# Altium PCB Sweet4x4_02.PcbDoc (part 2 of 2)
Units mm, origin at the board's own origin, x right, y up, seen from the top; angles counter-clockwise.
Board outline 80 x 114 mm, 2 copper layers (Top Layer, Bottom Layer), stack 1.571 mm thick; 67 components, 23 nets, 344 pads, 8 vias.
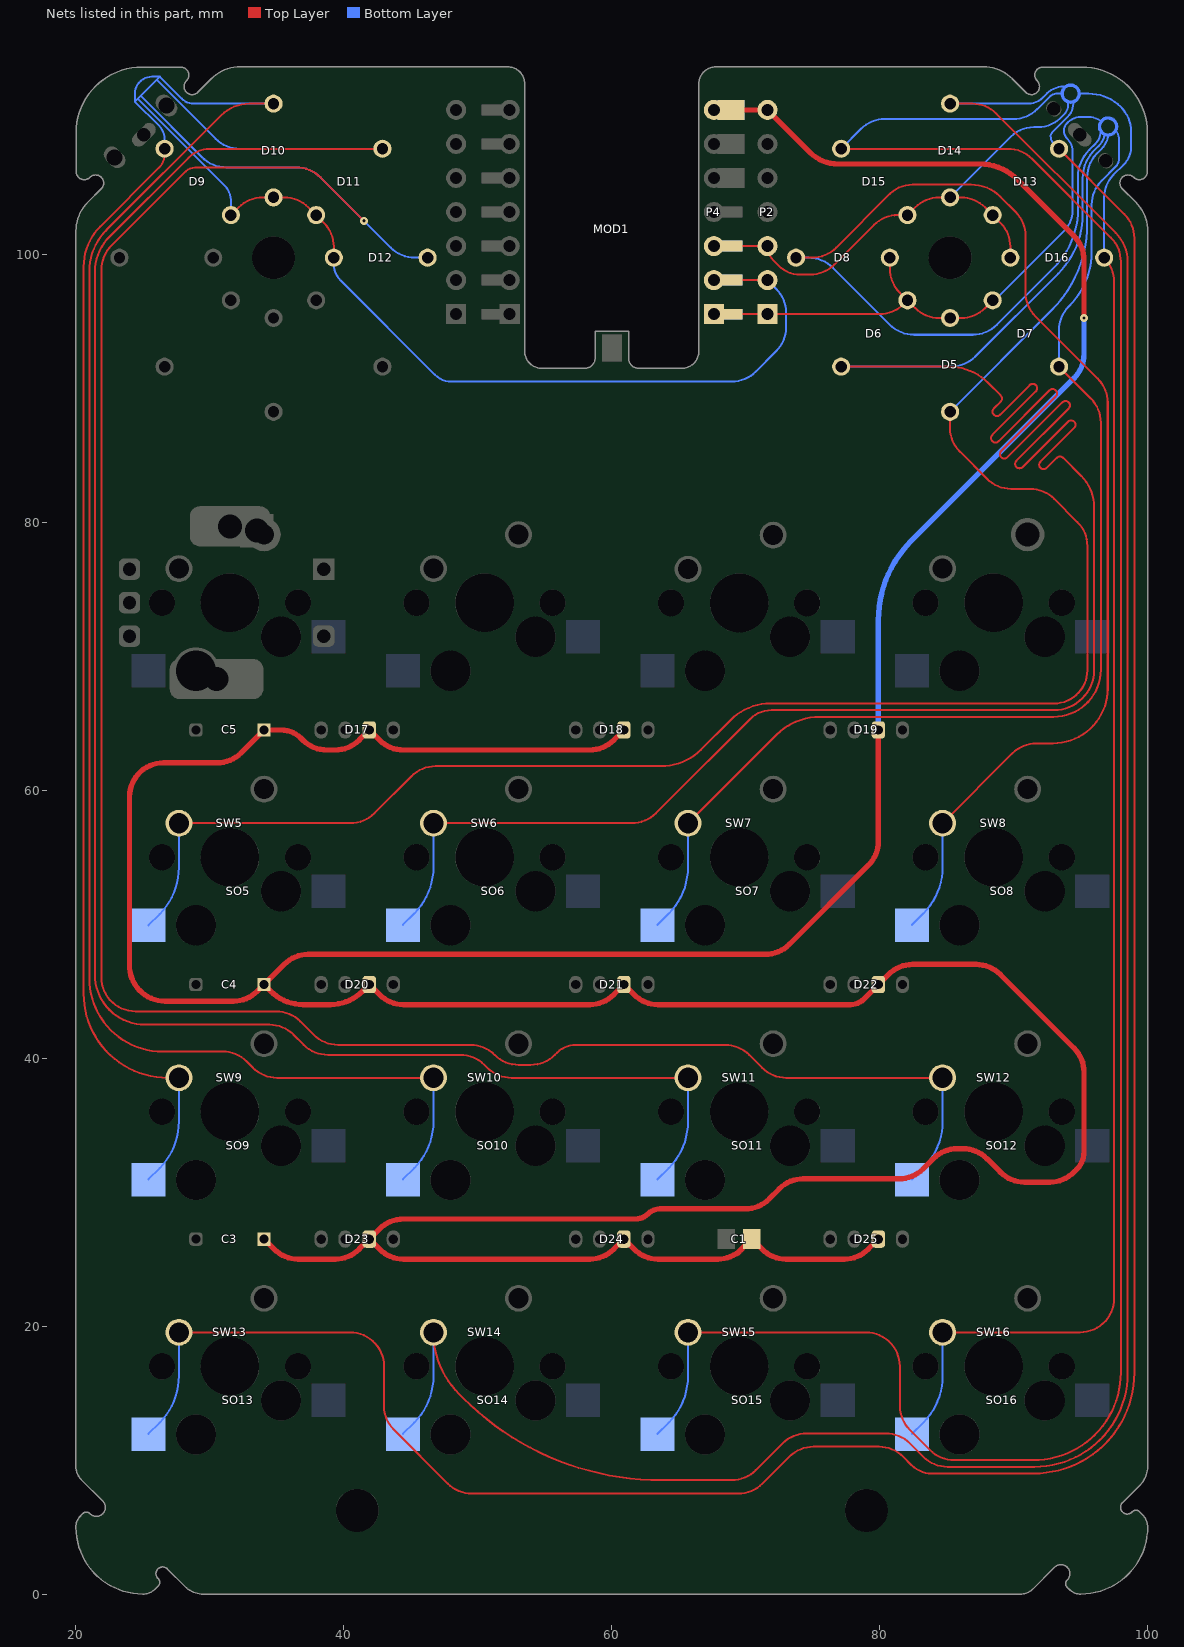
[diagram p2: the nets of this part, all layers, seen from the top]

## Via types
v1: diameter 0.6, hole 0.25, Top Layer to Bottom Layer, tented top, 7 vias
v2: diameter 0.6, hole 0.25, Top Layer to Bottom Layer, 1 vias

## Nets (pads, with @x,y where several pads share a name; then routed paths per layer and width w, separated by ;. In a path a pad name is that pad's centre, name@x,y a point inside that pad or via, vN(x,y) a via of type N, cw(c..) or ccw(c..) an arc to the next point about the centre after c; other vN are vias at no path point) (continued)
Row2: D5.A D5.C D6.A D6.C D7.A D7.C D8.A D8.C MOD1.2 P2.1 P4.1 pad.1@68.99,95.54 SO5.2 SO6.2 SO7.2 SO8.2 SW5.2 SW6.2 SW7.2 SW8.2 | length 556.4
  Top Layer w0.15: SW5.2@27.69,57.54 40.488,57.54 ccw(c40.488,60.08) 42.284,58.284 45.051,61.051 cw(c46.847,59.255) 46.847,61.795 63.681,61.795 ccw(c63.681,65.988) 66.647,63.023 68.868,65.244 cw(c71.848,62.265) 71.848,66.479 93.021,66.479 ccw(c93.021,68.957) 95.5,68.957 95.5,78.224 ccw(c92.96,78.224) 94.756,80.02 93.02,81.756 ccw(c91.224,79.96) 91.224,82.5 89.802,82.5 cw(c89.802,85.04) 88.006,83.244 85.994,85.256 cw(c87.79,87.052) 85.25,87.052 D5.C@85.25,88.25 ; SW6.2@46.69,57.54 59.008,57.54 61.488,57.54 ccw(c61.488,60.08) 63.284,58.284 64,59 70.321,65.321 cw(c71.909,63.733) 71.909,65.979 93.002,65.979 ccw(c93.002,68.976) 96,68.976 96,81.145 ccw(c92.728,81.145) 95.042,83.458 93.681,84.819 ccw(c93.449,84.586) 93.216,84.819 92.46,84.062 cw(c92.227,84.295) 91.994,84.062 cw(c92.227,84.295) 91.994,84.528 ; SW7.2@65.69,57.54 72.294,64.144 cw(c75.515,60.923) 75.515,65.479 92.983,65.479 ccw(c92.983,68.995) 96.5,68.995 96.5,87.448 ccw(c93.96,87.448) 95.756,89.244 D7.C@93.382,91.618 ; P4.1@67.62,95.54 P2.1@71.62,95.54 79.988,95.54 ccw(c79.988,98.08) 81.784,96.284 D6.A@82.068,96.568 ; D8.C@73.75,99.75 74.948,99.75 ccw(c74.948,102.29) 76.744,100.494 80.763,104.513 cw(c82.442,102.833) 82.442,105.208 86.826,105.208 cw(c86.826,102.133) 89.001,104.308 90.133,103.176 cw(c88.337,101.38) 90.877,101.38 90.877,97.175 ccw(c93.417,97.175) 91.621,95.379 96.275,90.725 cw(c94.479,88.929) 97.019,88.929 97.019,67.597 cw(c92.922,67.597) 92.922,63.5 91.702,63.5 ccw(c91.702,60.96) 89.906,62.756 SW8.2@84.69,57.54 ; D6.C@77.118,91.618 85.186,91.618 cw(c85.186,87.523) 88.081,90.419 89.029,89.471 cw(c88.796,89.239) 89.029,89.006 88.517,88.494 ccw(c88.749,88.262) 88.517,88.029 ccw(c88.749,88.262) 88.982,88.029 91.192,90.24 cw(c91.425,90.007) 91.658,90.24 cw(c91.425,90.007) 91.658,89.774 88.404,86.52 ccw(c88.636,86.288) 88.404,86.055 ccw(c88.636,86.288) 88.869,86.055 92.668,89.854 cw(c92.901,89.622) 93.134,89.854 cw(c92.901,89.622) 93.134,89.389 89.067,85.322 ccw(c89.3,85.09) 89.067,84.857 ccw(c89.3,85.09) 89.532,84.857 93.637,88.961 cw(c93.869,88.729) 94.102,88.961 cw(c93.869,88.729) 94.102,88.496 90.2,84.595 ccw(c90.433,84.362) 90.2,84.129 ccw(c90.433,84.362) 90.666,84.129 94.05,87.514 cw(c94.282,87.281) 94.515,87.514 cw(c94.282,87.281) 94.515,87.048 91.994,84.528 ; D8.A@80.75,99.75 80.75,98.938 ccw(c83.29,98.938) 81.494,97.142 D6.A@82.068,96.568 ; D7.A@88.432,96.568 87.858,95.994 cw(c86.062,97.79) 86.062,95.25 84.438,95.25 cw(c84.438,97.79) 82.642,95.994 D6.A@82.068,96.568
  Bottom Layer w0.15: SO5.2@25.41,49.92 26.249,50.759 ccw(c22.771,54.238) 27.69,54.238 SW5.2@27.69,57.54 ; SO6.2@44.41,49.96 45.249,50.799 ccw(c41.771,54.278) 46.69,54.278 SW6.2@46.69,57.54 SW6.2@46.69,57.58 ; SO7.2@63.41,49.96 64.249,50.799 ccw(c60.771,54.278) 65.69,54.278 SW7.2@65.69,57.54 SW7.2@65.69,57.58 ; D8.C@73.75,99.75 74.698,99.75 cw(c74.698,97.21) 76.494,99.006 80.756,94.744 ccw(c82.552,96.54) 82.552,94 86.948,94 ccw(c86.948,96.54) 88.744,94.744 92.965,98.965 ccw(c88.54,103.389) 94.797,103.389 94.797,105.765 cw(c97.681,105.765) 95.642,107.805 96.113,108.276 ccw(c95.179,109.21) 96.5,109.21 ; D6.C@77.118,91.618 85.316,91.618 ccw(c85.316,94.158) 87.112,92.362 93.317,98.567 ccw(c88.892,102.991) 95.149,102.991 95.149,105.676 cw(c98.1,105.676) 95.873,107.611 96.324,108.063 ccw(c95.179,109.21) 96.775,108.928 ; SO8.2@82.41,49.96 83.249,50.799 ccw(c79.771,54.278) 84.69,54.278 SW8.2@84.69,57.54 SW8.2@84.69,57.58 ; D5.C@85.25,88.25 92.821,95.821 ccw(c86.409,102.233) 95.477,102.233 95.477,105.739 cw(c98.017,105.739) 96.173,107.486 cw(c98.017,105.739) 96.221,107.535 96.537,107.851 ccw(c95.179,109.21) 97.071,108.876 ; D7.A@88.432,96.568 ccw(c88.432,96.896) 88.664,96.664 93.759,101.759 ccw(c92.206,103.312) 94.402,103.312 94.402,107.685 ccw(c93.144,107.685) 94.034,108.574 cw(c94.719,109.259) 93.75,109.259 cw(c94.473,109.259) 93.962,109.771 94.046,109.855 cw(c95,108.901) 95,110.25 95.543,110.25 cw(c95.543,108.543) 96.522,109.941 ; D7.C@93.382,91.618 93.382,94.33 cw(c95.922,94.33) 94.126,96.126 ccw(c90.031,100.22) 95.822,100.22 95.822,103.707 cw(c98.362,103.707) 96.566,105.503 97.599,106.537 ccw(c96.936,107.2) 97.874,107.2 97.874,108.494 ccw(c96.628,108.494) 97.582,109.294
  Bottom Layer w0.25: 97.68,109.543 ccw(c97.043,109.543) 97.68,109.543
Row3: D9.A D9.C D10.A D10.C D11.A D11.C D12.A D12.C MOD1.4 P2.2 P4.2 pad.1@68.99,98.08 SO9.2 SO10.2 SO11.2 SO12.2 SW9.2 SW10.2 SW11.2 SW12.2 | length 616.5
  Top Layer w0.15: D9.C@26.618,107.882 26.618,107.443 cw(c25.266,107.443) 26.222,106.487 21.808,102.072 ccw(c24.784,99.096) 20.575,99.096 20.575,46.25 20.575,44.821 ccw(c26.856,44.821) 26.856,38.54 SW9.2@27.69,38.54 ; D9.A@31.568,102.932 32.142,103.506 cw(c33.938,101.71) 33.938,104.25 D10.A@34.75,104.25 35.562,104.25 cw(c35.562,101.71) 37.358,103.506 38.506,102.358 cw(c36.71,100.562) 39.25,100.562 D12.A@39.25,99.75 ; D10.C@34.75,111.25 32.954,111.25 ccw(c32.954,108.257) 30.837,110.373 22.281,101.817 ccw(c25.373,98.725) 21,98.725 21,46.25 21,45.963 ccw(c26.463,45.963) 26.463,40.5 30.948,40.5 cw(c30.948,37.96) 32.744,39.756 33.216,39.284 ccw(c35.012,41.08) 35.012,38.54 SW10.2@46.69,38.54 ; v1(41.5,102.5) 38.244,105.756 ccw(c36.448,103.96) 36.448,106.5 29.052,106.5 ccw(c29.052,105.139) 28.089,106.101 22.663,100.675 ccw(c24.518,98.82) 21.895,98.82 21.895,46.25 21.895,46.04 ccw(c24.435,46.04) 24.435,43.5 34.948,43.5 cw(c34.948,40.96) 36.744,42.756 37.756,41.744 ccw(c39.552,43.54) 39.552,41 49.448,41 cw(c49.448,38.46) 51.244,40.256 51.256,40.244 ccw(c53.052,42.04) 53.052,39.5 53.948,39.5 ccw(c53.948,42.04) 55.744,40.244 55.918,40.418 ; D11.C@42.882,107.882 30.01,107.882 ccw(c30.01,105.624) 28.413,107.22 22.505,101.313 ccw(c25.144,98.674) 21.413,98.674 21.413,46.25 ccw(c25.163,46.25) 25.163,42.5 34.448,42.5 cw(c34.448,39.96) 36.244,41.756 37.006,40.994 ccw(c38.802,42.79) 38.802,40.25 48.698,40.25 cw(c48.698,37.71) 50.494,39.506 50.716,39.284 ccw(c52.512,41.08) 52.512,38.54 SW11.2@65.69,38.54 ; 55.918,40.418 cw(c57.324,39.012) 57.324,41 68.448,41 cw(c68.448,38.46) 70.244,40.256 71.216,39.284 ccw(c73.012,41.08) 73.012,38.54 SW12.2@84.69,38.54 ; P4.2@67.62,98.08 P2.2@71.62,98.08
  Bottom Layer w0.15: 24.403,111.403 24.403,111.993 cw(c25.673,111.993) 25.673,113.263 26.263,113.263 ; 24.617,111.617 31.121,105.113 cw(c30.04,104.033) 31.568,104.072 cw(c30.04,104.033) 31.568,104.033 D9.A@31.568,102.932 ; 24.829,111.829 29.414,107.244 ccw(c31.21,109.04) 31.21,106.5 36.448,106.5 cw(c36.448,103.96) 38.244,105.756 v1(41.5,102.5) 43.506,100.494 ccw(c45.302,102.29) 45.302,99.75 D12.C@46.25,99.75 ; SO9.2@25.41,30.96 26.249,31.799 ccw(c22.771,35.278) 27.69,35.278 SW9.2@27.69,38.54 SW9.2@27.69,38.58 ; 26.207,109.602 cw(c25.214,108.609) 26.618,108.609 D9.C@26.618,107.882 ; 26.207,109.603 24.405,111.405 26.025,113.025 ; D10.C@34.75,111.25 28.802,111.25 cw(c28.802,112.519) 27.904,111.622 26.263,113.263 ; D12.A@39.25,99.75 39.25,99.302 ccw(c41.025,99.302) 39.77,98.047 46.797,91.02 ccw(c48.052,92.275) 48.052,90.5 68.948,90.5 ccw(c68.948,93.04) 70.744,91.244 72.256,92.756 ccw(c70.46,94.552) 73,94.552 73,95.648 ccw(c70.46,95.648) 72.256,97.444 P2.2@71.62,98.08 ; D11.C@42.882,107.882 32.221,107.882 cw(c32.221,110.422) 30.425,108.626 26.025,113.025 ; SO10.2@44.41,30.96 45.249,31.799 ccw(c41.771,35.278) 46.69,35.278 SW10.2@46.69,38.54 SW10.2@46.69,38.58 ; SO11.2@63.41,30.96 64.249,31.799 ccw(c60.771,35.278) 65.69,35.278 SW11.2@65.69,38.54 SW11.2@65.69,38.58 ; SO12.2@82.41,30.96 83.249,31.799 ccw(c79.771,35.278) 84.69,35.278 SW12.2@84.69,38.54 SW12.2@84.69,38.58 ; 26.025,113.025 26.263,113.263
Row4: D13.A D13.C D14.A D14.C D15.A D15.C D16.A D16.C MOD1.6 P2.3 P4.3 pad.1@68.99,100.62 SO13.2 SO14.2 SO15.2 SO16.2 SW13.2 SW14.2 SW15.2 SW16.2 | length 709.5
  Top Layer w0.15: SW13.2@27.69,19.54 40.46,19.54 cw(c40.46,17) 43,17 43,14.052 ccw(c45.54,14.052) 43.744,12.256 47.756,8.244 ccw(c49.552,10.04) 49.552,7.5 69.448,7.5 ccw(c69.448,10.04) 71.244,8.244 73.256,10.256 cw(c75.052,8.46) 75.052,11 79.948,11 cw(c79.948,8.46) 81.744,10.256 82.372,9.628 ccw(c83.888,11.144) 83.888,9 91.494,9 ccw(c91.494,16.506) 99,16.506 99,101.211 ccw(c96.46,101.211) 98.256,103.007 D13.C@93.382,107.882 ; SW14.2@46.69,19.54 ccw(c53.208,19.54) 48.599,14.931 48.904,14.626 ccw(c63.694,29.416) 63.694,8.5 68.948,8.5 ccw(c68.948,11.04) 68.951,8.5 ccw(c68.948,11.04) 70.744,9.244 72.756,11.256 cw(c74.552,9.46) 74.552,12 80.448,12 cw(c80.448,9.46) 82.244,11.256 83.256,10.244 ccw(c85.052,12.04) 85.052,9.5 91.549,9.5 ccw(c91.549,16.451) 98.5,16.451 98.5,99.448 ccw(c95.46,99.448) 97.61,101.598 88.701,110.506 ccw(c86.905,108.71) 86.905,111.25 D14.C@85.25,111.25 ; SW15.2@65.69,19.54 78.96,19.54 cw(c78.96,17) 81.5,17 81.5,14.052 ccw(c84.04,14.052) 82.244,12.256 83.756,10.744 ccw(c85.552,12.54) 85.552,10 91.462,10 ccw(c91.462,16.538) 98,16.538 98,99.448 ccw(c95.46,99.448) 97.256,101.244 91.362,107.138 ccw(c89.566,105.342) 89.566,107.882 D15.C@77.118,107.882 ; P4.3@67.62,100.62 P2.3@71.62,100.62 ccw(c73.127,100.62) 72.061,99.554 72.473,99.143 ccw(c74.066,100.736) 74.066,98.483 74.805,98.483 ccw(c74.805,101.023) 76.601,99.227 79.562,102.188 cw(c81.358,100.392) 81.358,102.932 D15.A@82.068,102.932 82.642,103.506 cw(c84.438,101.71) 84.438,104.25 86.062,104.25 cw(c86.062,101.71) 87.858,103.506 89.006,102.358 cw(c87.21,100.562) 89.75,100.562 D16.A@89.75,99.75 ; SW16.2@84.69,19.54 94.96,19.54 ccw(c94.96,22.08) 97.5,22.08 97.5,85 97.5,97.948 ccw(c94.96,97.948) 96.756,99.744 D16.C@96.75,99.75
  Bottom Layer w0.15: SO13.2@25.41,11.96 26.249,12.799 ccw(c22.771,16.278) 27.69,16.278 SW13.2@27.69,19.54 SW13.2@27.69,19.58 ; SO14.2@44.41,11.96 45.249,12.799 ccw(c41.771,16.278) 46.69,16.278 SW14.2@46.69,19.54 SW14.2@46.69,19.58 ; SO15.2@63.41,11.96 64.249,12.799 ccw(c60.771,16.278) 65.69,16.278 SW15.2@65.69,19.54 SW15.2@65.69,19.58 ; D15.C@77.118,107.882 78.595,109.359 cw(c80.391,107.563) 80.391,110.103 89.971,110.103 ccw(c89.971,112.643) 91.767,110.847 92.7,111.779 cw(c93.291,111.188) 93.291,112.024 93.614,112.024 ; SO16.2@82.41,11.96 83.249,12.799 ccw(c79.771,16.278) 84.69,16.278 SW16.2@84.69,19.54 SW16.2@84.69,19.58 ; D14.A@85.25,104.25 89.793,108.793 cw(c91.5,107.086) 91.5,109.5 91.826,109.5 ccw(c91.826,111.892) 93.465,110.15 93.783,110.467 ccw(c93.128,111.122) 94.054,111.122 94.054,111.394 ; D14.C@85.25,111.25 91.097,111.25 ccw(c91.097,112.754) 92.161,111.691 92.475,112.004 cw(c93.743,110.736) 93.743,112.53 93.897,112.53 ; D13.C@93.382,107.882 92.977,108.286 cw(c93.505,108.814) 92.758,108.814 cw(c93.188,108.814) 92.884,109.118 94.031,110.265 ccw(c93.011,111.285) 94.454,111.285 94.454,111.397 ; 94.887,112 95.6,112 cw(c95.6,108.62) 97.99,111.01 cw(c96.155,109.175) 98.75,109.175 98.75,108 cw(c96.91,108) 98.211,106.699 97.439,105.927 ccw(c99.103,104.263) 96.75,104.263 D16.C@96.75,99.75
  Bottom Layer w0.25: 93.614,112.024 ccw(c94.25,112) 94.054,111.394 ccw(c94.25,112) 94.454,111.397 ccw(c94.25,112) 94.887,112 ccw(c94.25,112) 93.897,112.53 ccw(c94.25,112) 93.614,112.024
VSYS: C1.1 C3.1 C4.1 C5.1 D17.2 D18.2 D19.2 D20.2 D21.2 D22.2 D23.2 D24.2 D25.2 MOD1.11 P2.7 P4.7 pad.1@68.89,110.78 | length 380
  Top Layer w0.4: C3.1@34.04,26.5 34.796,25.744 ccw(c36.592,27.54) 36.592,25 39.348,25 ccw(c39.348,27.54) 41.144,25.744 D23.2@41.9,26.5 ; D18.2@60.9,64.5 60.144,63.744 cw(c58.348,65.54) 58.348,63 44.452,63 cw(c44.452,65.54) 42.656,63.744 D17.2@41.9,64.5 41.144,63.744 cw(c39.348,65.54) 39.348,63 38.738,63 cw(c38.738,65.54) 36.942,63.744 36.795,63.891 ccw(c35.325,62.421) 35.325,64.5 C5.1@34.04,64.5 32.334,62.794 cw(c30.538,64.59) 30.538,62.05 26.54,62.05 ccw(c26.54,59.51) 24,59.51 24,47.016 ccw(c26.654,46.913) 26.654,44.257 31.745,44.257 ccw(c31.745,46.797) 33.541,45.001 C4.1@34.04,45.5 ; P4.7@67.62,110.78 P2.7@71.62,110.78 74.789,107.611 ccw(c76.891,109.712) 76.891,106.74 87.486,106.74 cw(c87.486,102.779) 90.287,105.58 94.506,101.361 cw(c92.71,99.565) 95.25,99.565 v1(95.25,95.25) ; D25.2@79.9,26.5 79.144,25.744 cw(c77.348,27.54) 77.348,25 73.002,25 cw(c73.002,27.54) 71.206,25.744 C1.1@70.45,26.5 69.694,25.744 cw(c67.898,27.54) 69.499,25.568 cw(c69.2,25.75) 69.281,25.409 cw(c67.898,27.54) 67.898,25 63.452,25 cw(c63.452,27.54) 61.656,25.744 D24.2@60.9,26.5 60.144,25.744 cw(c58.348,27.54) 58.348,25 44.452,25 cw(c44.452,27.54) 42.656,25.744 D23.2@41.9,26.5 ; D19.2@79.9,64.5 79.9,56.202 cw(c77.36,56.202) 79.156,54.406 73.244,48.494 cw(c71.448,50.29) 71.448,47.75 37.342,47.75 ccw(c37.342,45.21) 35.546,47.006 C4.1@34.04,45.5 ; C4.1@34.04,45.5 34.539,45.001 ccw(c36.955,47.417) 36.955,44 38.985,44 ccw(c38.985,47.417) 41.401,45.001 D20.2@41.9,45.5 42.656,44.744 ccw(c44.452,46.54) 44.452,44 58.348,44 ccw(c58.348,46.54) 60.144,44.744 D21.2@60.9,45.5 61.656,44.744 ccw(c63.452,46.54) 63.452,44 77.799,44 ccw(c77.799,45.451) 78.825,44.425 D22.2@79.9,45.5 80.656,46.256 cw(c82.452,44.46) 82.452,47 87.198,47 cw(c87.198,44.46) 88.994,46.256 94.506,40.744 cw(c92.71,38.948) 95.25,38.948 95.25,33.013 cw(c93.407,33.013) 94.71,31.71 94.494,31.494 cw(c92.698,33.29) 92.698,30.75 90.802,30.75 cw(c90.802,33.29) 89.006,31.494 87.994,32.506 ccw(c86.198,30.71) 86.198,33.25 85.802,33.25 ccw(c85.802,30.71) 84.006,32.506 83.244,31.744 cw(c81.448,33.54) 81.448,31 74.302,31 ccw(c74.302,28.46) 72.506,30.256 71.744,29.494 cw(c69.948,31.29) 69.948,28.75 63.596,28.75 ccw(c63.596,27.487) 62.703,28.38 cw(c61.785,29.297) 61.785,28 44.452,28 ccw(c44.452,25.46) 42.656,27.256 D23.2@41.9,26.5
  Bottom Layer w0.4: D19.2@79.9,64.5 79.9,72.701 cw(c88.244,72.701) 82.344,78.601 94.506,90.763 ccw(c92.71,92.559) 95.25,92.559 v1(95.25,95.25)
pads on no net: ENC1.MH1 ENC1.MH2 SO1.0 SO2.0 SO3.0 SO4.0 SO5.0 SO6.0 SO7.0 SO8.0 SO9.0 SO10.0 SO11.0 SO12.0 SO13.0 SO14.0 SO15.0 SO16.0 SW1.0 SW2.0 SW3.0 SW4.0 SW5.0 SW6.0 SW7.0 SW8.0 SW9.0 SW10.0 SW11.0 SW12.0 SW13.0 SW14.0 SW15.0 SW16.0
copper on no net: | length 7.5
  Bottom Layer w0.15: 23.45,109.8 24.2,110.55 24.2,110.154 ccw(c25.054,110.154) 24.45,109.55 ccw(c23.846,108.946) 23.846,109.8 23.45,109.8
  Bottom Layer w0.25: 21,110.4 22.5,110.4 ; 23.6,111.497 23.6,112.997
  Bottom Layer w0.4: 94.35,112 ccw(c94.25,112) 94.35,112 ; 97.143,109.543 ccw(c97.043,109.543) 97.143,109.543

## Polygon pours and split planes (outlines as drawn)
GND on Bottom Layer "NONET_L-01_P-001" (hatched 45Degree grid 1 track 0.25, remove dead copper, pour order 0): 20,114 100,114 100,0 20,0
GND on Top Layer "NONET_L-01_P-001" (hatched 45Degree grid 1 track 0.25, remove dead copper, pour order 1): 20,114 100,114 100,0 20,0

## Keep-outs
Keep-Out Layer:
  circle w0.254: c34.75,99.75 r3
  circle w0.254: c41,6.25 r3
  circle w0.254: c79,6.25 r3
  circle w0.254: c85.25,99.75 r3
  lines w0.1: 21.86,6.846 22.245,7.23 cw(c23.5,5.975) 23.5,7.75 23.543,7.75 cw(c23.543,6.043) 24.75,7.25 27.219,4.78 cw(c25.939,3.5) 27.75,3.5 cw(c25.945,3.5) 27.221,2.224 ; 92.779,2.224 cw(c94.054,3.5) 92.25,3.5 cw(c94.061,3.5) 92.78,4.78 95.25,7.25 cw(c96.457,6.043) 96.457,7.75 96.5,7.75 cw(c96.5,5.975) 97.755,7.23 98.14,6.846

## Other copper
Bottom Layer:
  region: 24.449,109.551 ccw(c23.848,108.95) 23.848,109.8 23.45,109.8 24.2,110.55 24.2,110.152 ccw(c25.05,110.152)
  region net Row1: 22.595,109.595 22.594,109.597 22.007,109.597 ccw(c22.007,108.327) 20.737,108.327 20.737,107.737
  region net Row3: 24.405,111.405 24.403,111.406 24.403,111.993 cw(c25.673,111.993) 25.673,113.263 26.263,113.263
  region net Row3: 26.271,113.271 26.506,113.036 26.409,112.938 ccw(c28.205,111.142) 25.665,111.142 25.665,110.142 24.403,111.403
  region net Row1: 20.729,107.729 20.964,107.494 21.062,107.591 cw(c22.858,105.795) 22.858,108.335 23.858,108.335 22.597,109.597
  region: 460 vertices and 0 holes, not listed, extent 28.979,86.831 30.782,88.833
  region: 638 vertices and 0 holes, not listed, extent 28.904,84.791 32.188,87.175
  region: 380 vertices and 0 holes, not listed, extent 30.689,87.316 32.752,88.775
  region: 570 vertices and 0 holes, not listed, extent 31.791,84.906 32.885,87.775
  region: 32.751,87.281 32.734,87.281 32.734,87.264 32.768,87.264 32.769,87.281 32.769,87.298 32.751,87.298
Multi-Layer:
  pour cut-out: 29.102,112.102 21.153,104.153 20,104.153 20,105.25 19,106.25 19,111.25 22.75,115 28.25,115
  pour cut-out: 90.898,112.102 98.602,104.398 99.648,104.398 101,105.75 100.75,106 100.75,115 90.75,115 90.5,115.25

## Silkscreen, mask and mechanical layers (free items; w line width, h text height)
Top Overlay:
  drawing of 7 lines, arcs and shapes, not listed
  text "Break for N-key" at 93.059,111.906 h0.8 r315
  text "Break for N-key" at 22.094,107.059 h0.8 r45
Bottom Overlay:
  drawing of 42 lines, arcs and shapes, not listed
  text "DRIES" at 74,6 h2 r351
  text "Wim" at 50.5,1.5 h2 r351
  text ".PCB_TITLE / Rev. .PCB_Rev" at 100,1 h2.8
  text "diode bender" at 87.699,0.883 h2
Top Solder:
  region: 91.749,112.102 100,103.851 100,114 90,114
  region: 21.898,105.749 30.148,114 20,114 20,104
  region: 21,7 26.5,1.5 26.5,-0.25 19.75,-0.25 19.75,6 20.25,6.5
  region: 99,7 93.5,1.5 93.5,-0.25 100.25,-0.25 100.25,6 99.75,6.5
  lines w2: 24.146,1.854 ccw(c24.5,2.207) 24.854,1.854 ; 24.149,1.851 21.854,4.146 cw(c22.207,4.5) 21.854,4.854 23.146,6.146 cw(c23.5,5.793) 23.854,6.146 26.149,3.851 ; 24.851,1.851 26.149,3.149 ; 26.146,3.146 ccw(c25.793,3.5) 26.146,3.854 ; 93.851,3.149 95.149,1.851 ; 93.851,3.851 96.146,6.146 cw(c96.5,5.793) 96.854,6.146 98.146,4.854 cw(c97.793,4.5) 98.146,4.146 95.851,1.851 ; 93.854,3.146 cw(c94.207,3.5) 93.854,3.854 ; 95.146,1.854 ccw(c95.5,2.207) 95.854,1.854
Bottom Solder:
  region: 21,7 26.5,1.5 26.5,-0.25 19.75,-0.25 19.75,6 20.25,6.5
  region: 99,7 93.5,1.5 93.5,-0.25 100.25,-0.25 100.25,6 99.75,6.5
  region: 98.102,105.749 89.851,114 100,114 100,104
  region: 28.251,112.102 20,103.851 20,114 30,114
  lines w2: 24.146,1.854 ccw(c24.5,2.207) 24.854,1.854 ; 24.149,1.851 21.854,4.146 cw(c22.207,4.5) 21.854,4.854 23.146,6.146 cw(c23.5,5.793) 23.854,6.146 26.149,3.851 ; 24.851,1.851 26.149,3.149 ; 26.146,3.146 ccw(c25.793,3.5) 26.146,3.854 ; 93.851,3.149 95.149,1.851 ; 93.851,3.851 96.146,6.146 cw(c96.5,5.793) 96.854,6.146 98.146,4.854 cw(c97.793,4.5) 98.146,4.146 95.851,1.851 ; 93.854,3.146 cw(c94.207,3.5) 93.854,3.854 ; 95.146,1.854 ccw(c95.5,2.207) 95.854,1.854
Outline:
  lines w0.1: 21.851,4.149 24.146,1.854 ccw(c24.5,2.207) 24.854,1.854 26.146,3.146 ccw(c25.793,3.5) 26.146,3.854 23.851,6.149 ; 21.851,4.851 23.149,6.149 ; 21.854,4.146 cw(c22.207,4.5) 21.854,4.854 ; 23.146,6.146 cw(c23.5,5.793) 23.854,6.146 ; 65.23,91.5 ccw(c65.23,92.77) 66.5,92.77 66.5,112.73 cw(c67.77,112.73) 67.77,114 87.73,114 cw(c87.73,110.934) 89.898,113.102 90.898,112.102 ccw(c91.324,112.528) 91.749,112.953 cw(c92.175,113.379) 92.175,113.981 95.072,113.981 cw(c95.072,109.072) 99.981,109.072 99.981,106.175 cw(c99.379,106.175) 98.953,105.749 ccw(c98.528,105.324) 98.102,104.898 99.102,103.898 cw(c96.934,101.73) 100,101.73 100,9.5 cw(c98.084,9.5) 99.439,8.145 98.14,6.846 ccw(c98.475,6.475) 98.846,6.14 cw(c99.121,5.888) 99.373,6.164 99.621,5.916 cw(c98.704,5) 100,5 cw(c95,5) 95,0 cw(c95,1.207) 94.146,0.354 94,0.5 cw(c94.251,0.776) 93.976,1.027 ccw(c93.525,1.525) 93.027,1.976 91.441,0.39 cw(c90.5,1.331) 90.5,0 29.5,0 cw(c29.5,1.916) 28.145,0.561 26.846,1.86 ccw(c26.475,1.525) 26.14,1.154 cw(c25.888,0.879) 26.164,0.627 25.916,0.379 cw(c25,1.296) 25,0 cw(c25,5) 20,5 cw(c21.207,5) 20.354,5.854 20.5,6 cw(c20.776,5.749) 21.027,6.024 ccw(c21.525,6.475) 21.976,6.973 20.39,8.559 cw(c21.331,9.5) 20,9.5 20,101.73 cw(c23.066,101.73) 20.898,103.898 21.898,104.898 ccw(c21.472,105.324) 21.047,105.749 cw(c20.621,106.175) 20.019,106.175 20.019,109.072 cw(c24.928,109.072) 24.928,113.981 27.825,113.981 cw(c27.825,113.379) 28.251,112.953 ccw(c28.676,112.528) 29.102,112.102 30.102,113.102 cw(c32.27,110.934) 32.27,114 52,114 52.23,114 cw(c52.23,112.73) 53.5,112.73 53.5,93 53.5,92.77 ccw(c54.77,92.77) 54.77,91.5 58,91.5 ccw(c58,92.25) 58.75,92.25 58.75,94.25 61.25,94.25 61.25,92.25 ccw(c62,92.25) 62,91.5 65.25,91.5 ; 70.88,88.467 ccw(c71.233,88.113) 71.238,87.613 71.534,87.318 cw(c71.357,87.141) 71.534,86.964 71.185,86.615 ; 70.897,88.484 71.057,88.644 71.216,88.803 ; 71.185,86.616 ccw(c71.18,86.116) 70.827,85.762 71.057,85.532 71.286,85.302 ccw(c71.64,85.656) 72.14,85.661 72.488,86.01 cw(c72.665,85.833) 72.842,86.01 73.138,85.714 ; 71.233,88.82 cw(c71.587,88.467) 72.087,88.462 72.382,88.166 ccw(c72.559,88.343) 72.736,88.166 73.085,88.515 cw(c73.584,88.52) 73.938,88.873 74.168,88.644 74.398,88.414 cw(c74.044,88.06) 74.039,87.56 73.69,87.212 ccw(c73.867,87.035) 73.69,86.858 73.986,86.562 cw(c73.991,86.063) 74.345,85.709 ; 73.137,85.714 ccw(c73.637,85.709) 73.991,85.355 ; 74.009,85.373 74.168,85.532 74.327,85.691 ; 93.851,3.149 95.149,1.851 ; 93.851,3.851 96.146,6.146 cw(c96.5,5.793) 96.854,6.146 98.146,4.854 cw(c97.793,4.5) 98.146,4.146 95.851,1.851 ; 93.854,3.146 cw(c94.207,3.5) 93.854,3.854 ; 95.146,1.854 ccw(c95.5,2.207) 95.854,1.854
Comments:
  lines w0.1: 21.89,105.741 28.259,112.11 21.89,105.741
Fabrication:
  text "Pink Mask" at -31,-7 h1.5
  text "White Silkscreen" at -31,-10 h1.5
  text "1.6mm Thickness" at -31,-16 h1.5
Frame:
  drawing of 15 lines, arcs and shapes, not listed
  text "Document" at 260.402,-31.311 h2
  text ".PCB_TITLE" at 261.902,-36.811 h3.2
  text "Layer Name" at 260.402,-41.311 h2
  text "<DISABLED>" at 264.902,-46.311 h3.5
  text "Date" at 260.402,-51.311 h2
  text "Rev" at 300.402,-51.311 h2
  text ".Print_Date" at 263.402,-56.811 h3.5
  text ".PCB_REV" at 304.902,-56.811 h4
  text "Desginer" at 210.402,-61.311 h2
  text "Document" at 260.402,-61.311 h2
  text ".Pcb_File_Name_No_Path" at 261.902,-66.311 h1.5
  text ".PCB_ENGINEER" at 214.902,-66.811 h4
Drill Drawing:
  drawing of 187 lines, arcs and shapes, not listed
  text "Symbol" at 181.543,72 h0.96
  text "Count" at 188.342,72 h0.96
  text "Hole Size" at 196.373,72 h0.96
  text "Plated" at 212.002,72 h0.96
  text "Hole Type" at 218.8,72 h0.96
  text "Drill Layer Pair" at 228.637,72 h0.96
  text "Via/Pad" at 248.665,72 h0.96
  text "Pad Shape" at 256.583,72 h0.96
  text "Template" at 271.145,72 h0.96
  text "Hole Length" at 287.84,72 h0.96
  text "Routed Path Length" at 303.469,72 h0.96
  text "1" at 188.342,70 h0.8
  text "1,800mm (70,87mil)" at 196.373,70 h0.8
  text "PTH" at 212.002,70 h0.8
  text "Round" at 218.8,70 h0.8
  text "Top Layer - Bottom Layer" at 228.637,70 h0.8
  text "Pad" at 248.665,70 h0.8
  text "Rounded" at 256.583,70 h0.8
  text "c250h180m250" at 271.145,70 h0.8
  text "-" at 287.84,70 h0.8
  text "-" at 303.469,70 h0.8
  text "E" at 181.144,69.85 h0.89
  text "1" at 188.342,68 h0.8
  text "1,800mm (70,87mil)" at 196.373,68 h0.8
  text "PTH" at 212.002,68 h0.8
  text "Slot" at 218.8,68 h0.8
  text "Top Layer - Bottom Layer" at 228.637,68 h0.8
  text "Pad" at 248.665,68 h0.8
  text "Rectangle" at 256.583,68 h0.8
  text "s250h180_300" at 271.145,68 h0.8
  text "3,000mm (118,11mil)" at 287.84,68 h0.8
  text "1,200mm (47,24mil)" at 303.469,68 h0.8
  text "D" at 181.144,67.85 h0.89
  text "1" at 188.342,66 h0.8
  text "1,800mm (70,87mil)" at 196.373,66 h0.8
  text "PTH" at 212.002,66 h0.8
  text "Slot" at 218.8,66 h0.8
  text "Top Layer - Bottom Layer" at 228.637,66 h0.8
  text "Pad" at 248.665,66 h0.8
  text "Rounded Rectangle" at 256.583,66 h0.8
  text "r300_600h180_470r75" at 271.145,66 h0.8
  text "4,700mm (185,04mil)" at 287.84,66 h0.8
  text "2,900mm (114,17mil)" at 303.469,66 h0.8
  text "G" at 181.144,65.85 h0.89
  text "1" at 188.342,64 h0.8
  text "1,800mm (70,87mil)" at 196.373,64 h0.8
  text "PTH" at 212.002,64 h0.8
  text "Slot" at 218.8,64 h0.8
  text "Top Layer - Bottom Layer" at 228.637,64 h0.8
  text "Pad" at 248.665,64 h0.8
  text "Rounded Rectangle" at 256.583,64 h0.8
  text "r300_700h180_550r75" at 271.145,64 h0.8
  text "5,500mm (216,54mil)" at 287.84,64 h0.8
  text "3,700mm (145,67mil)" at 303.469,64 h0.8
  text "F" at 181.144,63.85 h0.89
  text "1" at 188.342,62 h0.8
  text "3,000mm (118,11mil)" at 196.373,62 h0.8
  text "PTH" at 212.002,62 h0.8
  text "Round" at 218.8,62 h0.8
  text "Top Layer - Bottom Layer" at 228.637,62 h0.8
  text "Pad" at 248.665,62 h0.8
  text "Rounded" at 256.583,62 h0.8
  text "c350h300" at 271.145,62 h0.8
  text "-" at 287.84,62 h0.8
  text "-" at 303.469,62 h0.8
  text "2" at 188.342,60 h0.8
  text "1,000mm (39,37mil)" at 196.373,60 h0.8
  text "NPTH" at 212.002,60 h0.8
  text "Slot" at 218.8,60 h0.8
  text "Top Layer - Bottom Layer" at 228.637,60 h0.8
  text "Pad" at 248.665,60 h0.8
  text "Rounded" at 256.583,60 h0.8
  text "r120_100hn100_120r50" at 271.145,60 h0.8
  text "1,200mm (47,24mil)" at 287.84,60 h0.8
  text "0,200mm (7,87mil)" at 303.469,60 h0.8
  text "2" at 188.342,58 h0.8
  text "1,000mm (39,37mil)" at 196.373,58 h0.8
  text "NPTH" at 212.002,58 h0.8
  text "Slot" at 218.8,58 h0.8
  text "Top Layer - Bottom Layer" at 228.637,58 h0.8
  text "Pad" at 248.665,58 h0.8
  text "Rounded" at 256.583,58 h0.8
  text "r210_100hn100_210r50" at 271.145,58 h0.8
  text "2,100mm (82,68mil)" at 287.84,58 h0.8
  text "1,100mm (43,31mil)" at 303.469,58 h0.8
  text "2" at 188.342,56 h0.8
  text "1,200mm (47,24mil)" at 196.373,56 h0.8
  text "NPTH" at 212.002,56 h0.8
  text "Slot" at 218.8,56 h0.8
  text "Top Layer - Bottom Layer" at 228.637,56 h0.8
  text "Pad" at 248.665,56 h0.8
  text "Rounded" at 256.583,56 h0.8
  text "r180_120hn120_180r60" at 271.145,56 h0.8
  text "1,800mm (70,87mil)" at 287.84,56 h0.8
  text "0,600mm (23,62mil)" at 303.469,56 h0.8
  text "4" at 188.342,54 h0.8
  text "3,200mm (125,98mil)" at 196.373,54 h0.8
  text "NPTH" at 212.002,54 h0.8
  text "Round" at 218.8,54 h0.8
  text "Top Layer - Bottom Layer" at 228.637,54 h0.8
  text "Pad" at 248.665,54 h0.8
  text "Rounded" at 256.583,54 h0.8
  text "c320hn320m620" at 271.145,54 h0.8
  text "-" at 287.84,54 h0.8
  text "-" at 303.469,54 h0.8
  text "5" at 188.342,52 h0.8
  text "1,000mm (39,37mil)" at 196.373,52 h0.8
  text "PTH" at 212.002,52 h0.8
  text "Round" at 218.8,52 h0.8
  text "Top Layer - Bottom Layer" at 228.637,52 h0.8
  text "Pad" at 248.665,52 h0.8
  text "(Mixed)" at 256.583,52 h0.8
  text "(Mixed)" at 271.145,52 h0.8
  text "-" at 287.84,52 h0.8
  text "-" at 303.469,52 h0.8
  text "6" at 188.342,50 h0.8
  text "0,650mm (25,59mil)" at 196.373,50 h0.8
  text "PTH" at 212.002,50 h0.8
  text "Round" at 218.8,50 h0.8
  text "Top Layer - Bottom Layer" at 228.637,50 h0.8
  text "Pad" at 248.665,50 h0.8
  text "(Mixed)" at 256.583,50 h0.8
  text "(Mixed)" at 271.145,50 h0.8
  text "-" at 287.84,50 h0.8
  text "-" at 303.469,50 h0.8
  text "8" at 188.342,48 h0.8
  text "0,250mm (9,84mil)" at 196.373,48 h0.8
  text "PTH" at 212.002,48 h0.8
  text "Round" at 218.8,48 h0.8
  text "Top Layer - Bottom Layer" at 228.637,48 h0.8
  text "Via" at 248.665,48 h0.8
  text "Rounded" at 256.583,48 h0.8
  text "(Mixed)" at 271.145,48 h0.8
  text "-" at 287.84,48 h0.8
  text "-" at 303.469,48 h0.8
  text "C" at 181.144,47.85 h0.89
  text "22" at 188.342,46 h0.8
  text "4,369mm (172,00mil)" at 196.373,46 h0.8
  text "NPTH" at 212.002,46 h0.8
  text "Round" at 218.8,46 h0.8
  text "Top Layer - Bottom Layer" at 228.637,46 h0.8
  text "Pad" at 248.665,46 h0.8
  text "Rounded" at 256.583,46 h0.8
  text "c437hn437m462" at 271.145,46 h0.8
  text "-" at 287.84,46 h0.8
  text "-" at 303.469,46 h0.8
  text "28" at 188.342,44 h0.8
  text "0,900mm (35,43mil)" at 196.373,44 h0.8
  text "PTH" at 212.002,44 h0.8
  text "Round" at 218.8,44 h0.8
  text "Top Layer - Bottom Layer" at 228.637,44 h0.8
  text "Pad" at 248.665,44 h0.8
  text "(Mixed)" at 256.583,44 h0.8
  text "(Mixed)" at 271.145,44 h0.8
  text "-" at 287.84,44 h0.8
  text "-" at 303.469,44 h0.8
  text "30" at 188.342,42 h0.8
  text "1,499mm (59,00mil)" at 196.373,42 h0.8
  text "PTH" at 212.002,42 h0.8
  text "Round" at 218.8,42 h0.8
  text "Top Layer - Bottom Layer" at 228.637,42 h0.8
  text "Pad" at 248.665,42 h0.8
  text "Rounded" at 256.583,42 h0.8
  text "c201h150m201" at 271.145,42 h0.8
  text "-" at 287.84,42 h0.8
  text "-" at 303.469,42 h0.8
  text "31" at 188.342,40 h0.8
  text "3,000mm (118,11mil)" at 196.373,40 h0.8
  text "NPTH" at 212.002,40 h0.8
  text "Round" at 218.8,40 h0.8
  text "Top Layer - Bottom Layer" at 228.637,40 h0.8
  text "Pad" at 248.665,40 h0.8
  text "Rounded" at 256.583,40 h0.8
  text "c300hn300" at 271.145,40 h0.8
  text "-" at 287.84,40 h0.8
  text "-" at 303.469,40 h0.8
  text "32" at 188.342,38 h0.8
  text "0,850mm (33,47mil)" at 196.373,38 h0.8
  text "PTH" at 212.002,38 h0.8
  text "Round" at 218.8,38 h0.8
  text "Top Layer - Bottom Layer" at 228.637,38 h0.8
  text "Pad" at 248.665,38 h0.8
  text "Rounded" at 256.583,38 h0.8
  text "c135h85" at 271.145,38 h0.8
  text "-" at 287.84,38 h0.8
  text "-" at 303.469,38 h0.8
  text "36" at 188.342,36 h0.8
  text "0,700mm (27,56mil)" at 196.373,36 h0.8
  text "PTH" at 212.002,36 h0.8
  text "Round" at 218.8,36 h0.8
  text "Top Layer - Bottom Layer" at 228.637,36 h0.8
  text "Pad" at 248.665,36 h0.8
  text "(Mixed)" at 256.583,36 h0.8
  text "(Mixed)" at 271.145,36 h0.8
  text "-" at 287.84,36 h0.8
  text "-" at 303.469,36 h0.8
  text "44" at 188.342,34 h0.8
  text "1,956mm (77,00mil)" at 196.373,34 h0.8
  text "NPTH" at 212.002,34 h0.8
  text "Round" at 218.8,34 h0.8
  text "Top Layer - Bottom Layer" at 228.637,34 h0.8
  text "Pad" at 248.665,34 h0.8
  text "Rounded" at 256.583,34 h0.8
  text "c196hn196m221" at 271.145,34 h0.8
  text "-" at 287.84,34 h0.8
  text "-" at 303.469,34 h0.8
  text "257 Total" at 188.342,32 h0.8
  text "Slot definitions :" at 181.543,30.034 h0.8
  text "Routed Path Length" at 195.359,30.034 h0.8
  text "= Calculated from tool start centre position to tool end centre position." at 210.108,30.034 h0.8
  text "Hole Length" at 195.359,28.667 h0.8
  text "= Routed Path Length + Tool Size = Slot length as defined in the PCB layout" at 204.643,28.667 h0.8

## Dimensions
20,101.73 to 85.25,99.75 on Comments 2
20,9.5 to 34.75,99.75 on Comments 2
20,9.5 to 79,6.25 on Comments 2
29.5,0 to 34.75,99.75 on Comments 2
20,9.5 to 41,6.25 on Comments 2
29.5,0 to 41,6.25 on Comments 2
100,9.5 to 20,9.5 on Fabrication
52,114 to 29.5,0 on Fabrication